# Altium PCB Drivers.PcbDoc (part 1 of 2)
Units mil, origin at the board's own origin, x right, y up, seen from the top; angles counter-clockwise.
Board outline 5500 x 3355 mil, 4 copper layers (Top Layer, GND, Inner 2, EARTH), stack 58.74 mil thick; 166 components, 120 nets, 482 pads, 174 vias.
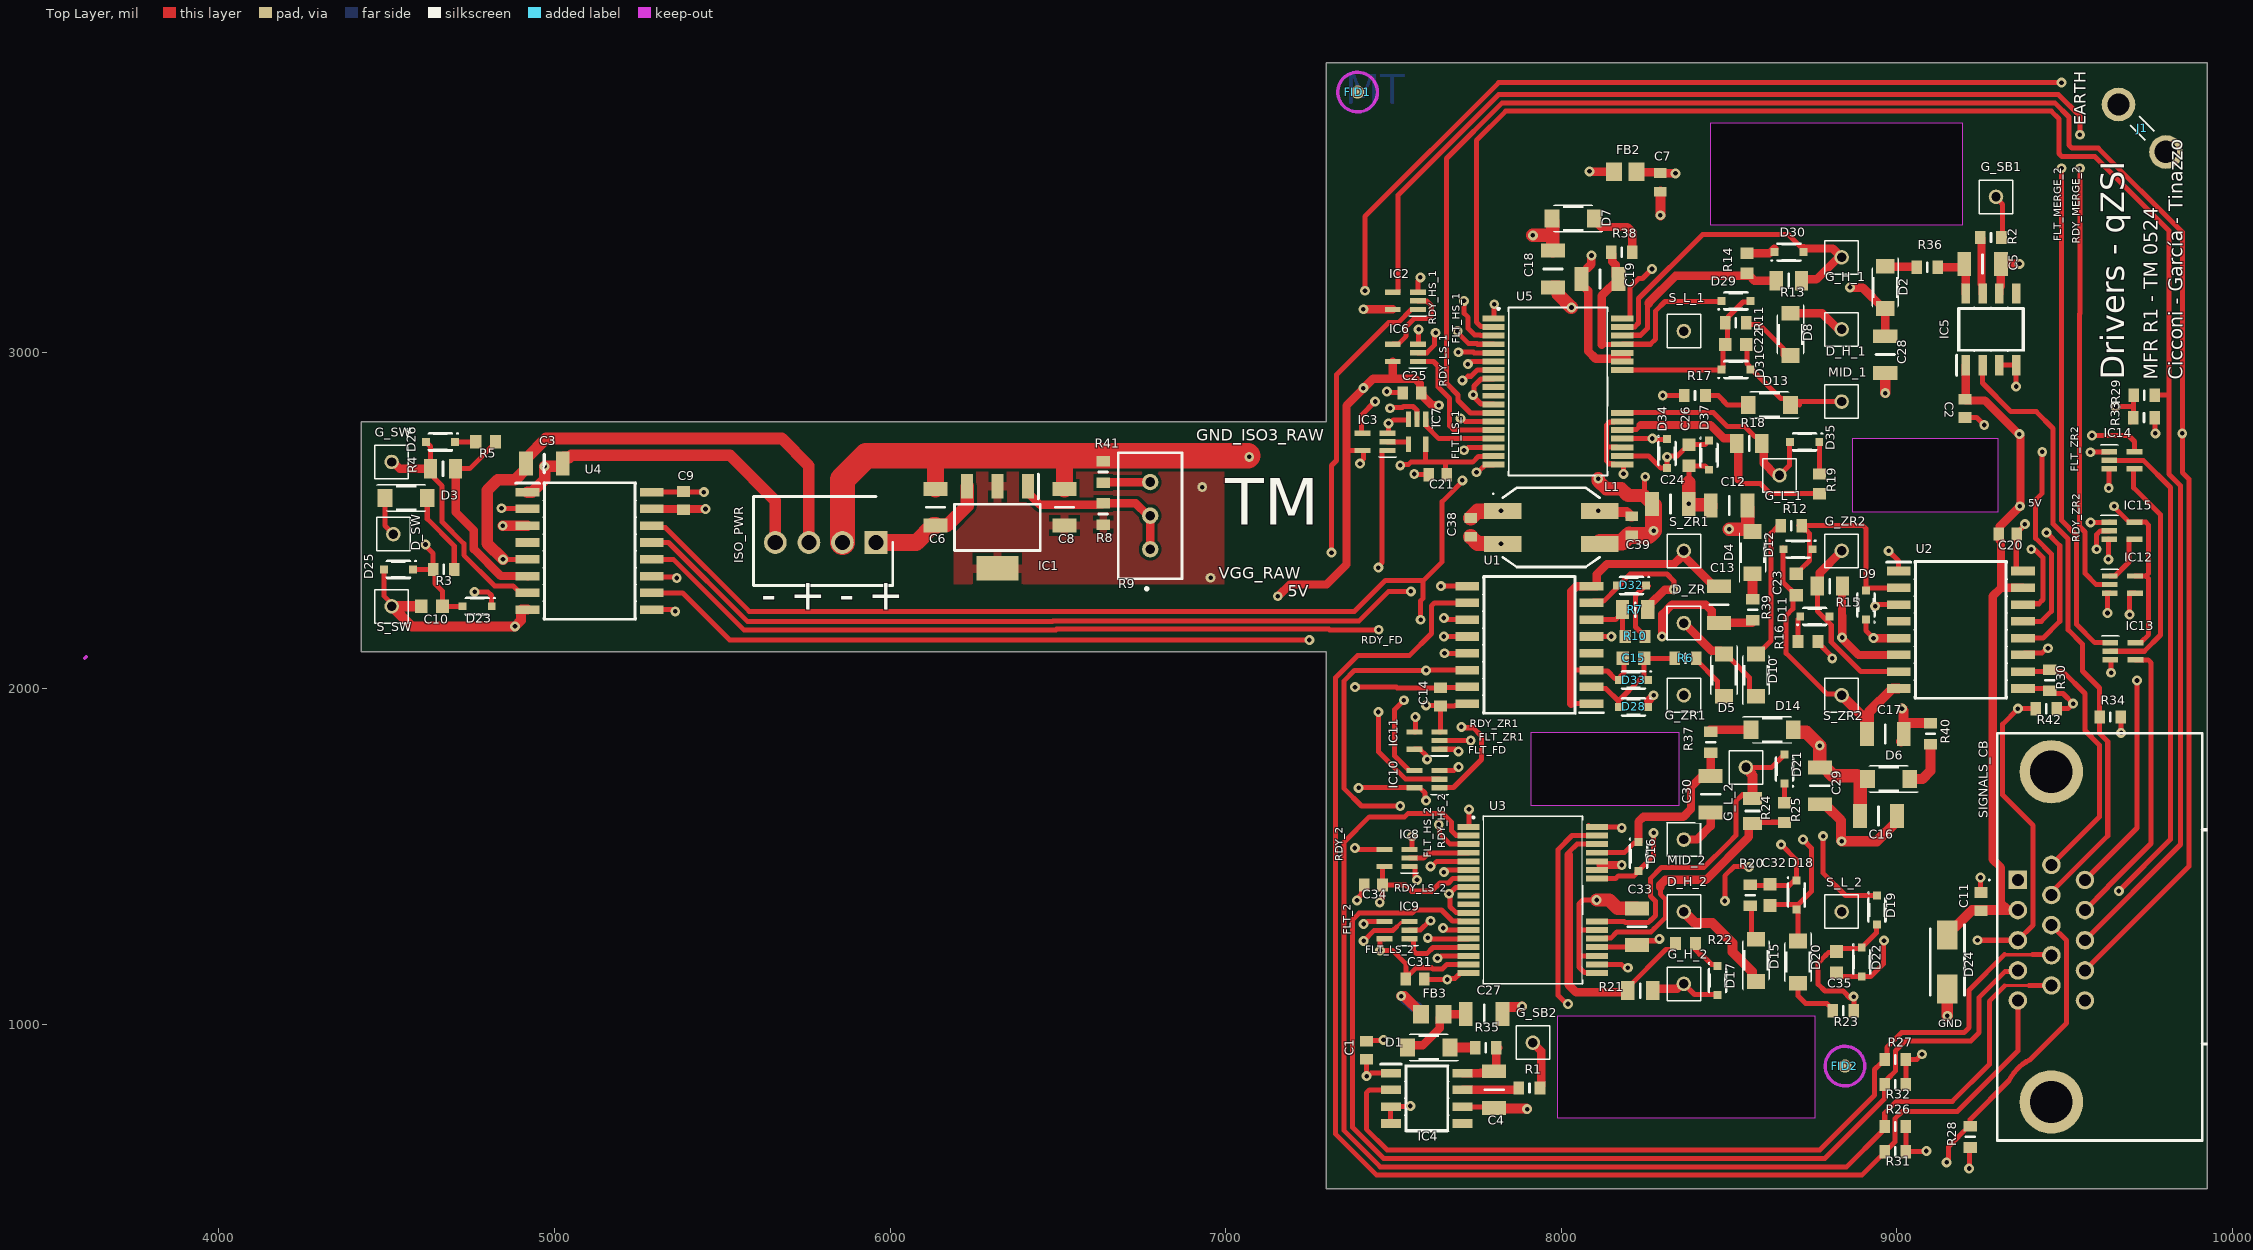
[diagram p0: Top Layer view]
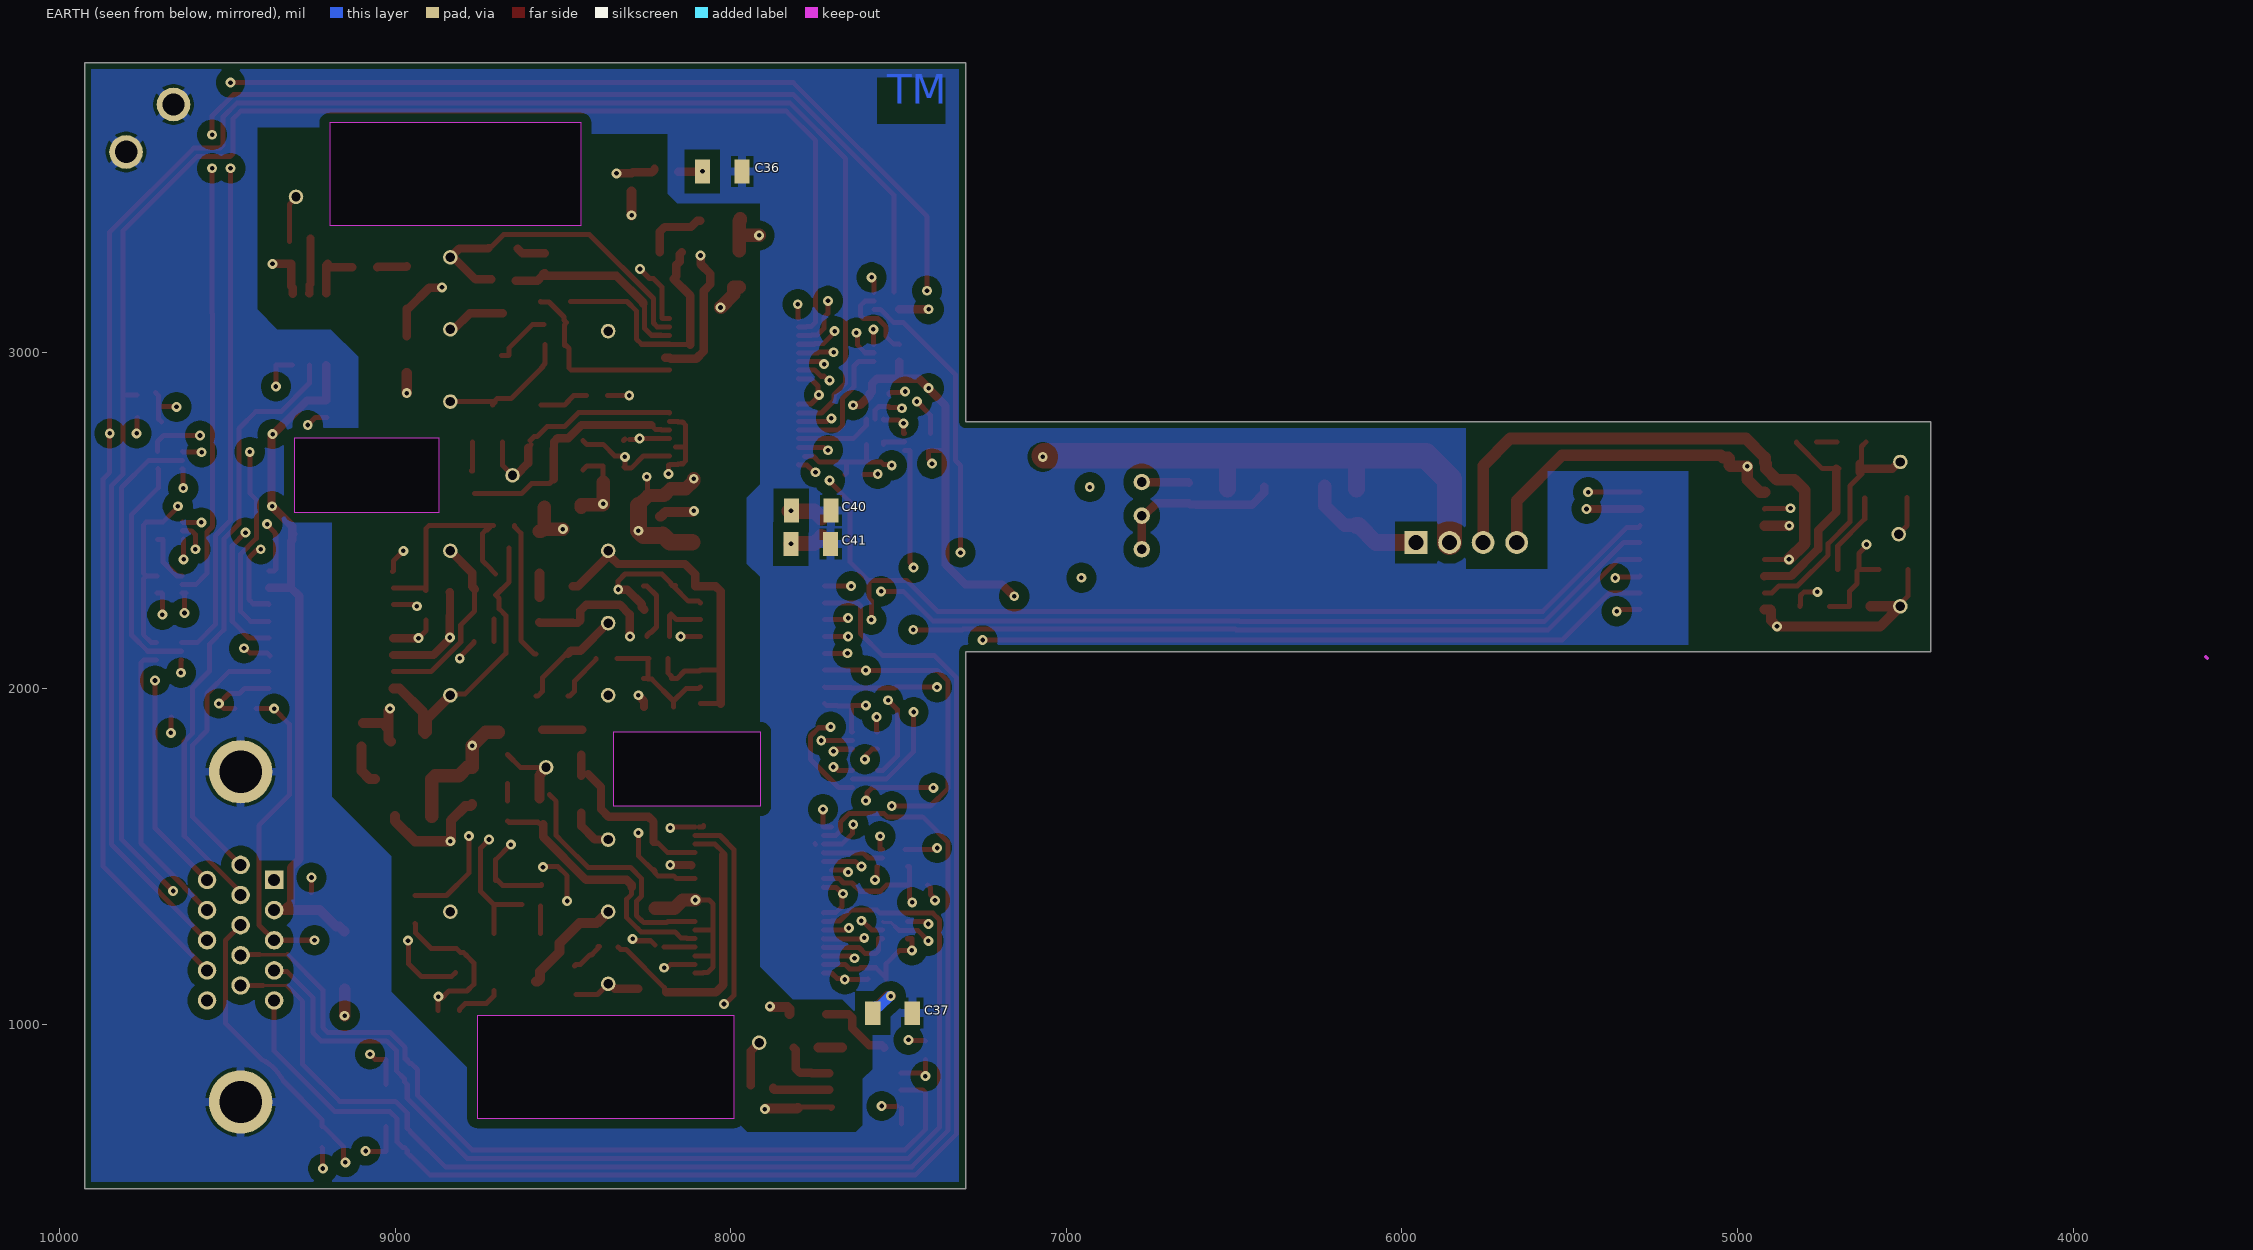
[diagram p1: EARTH view, seen from below]
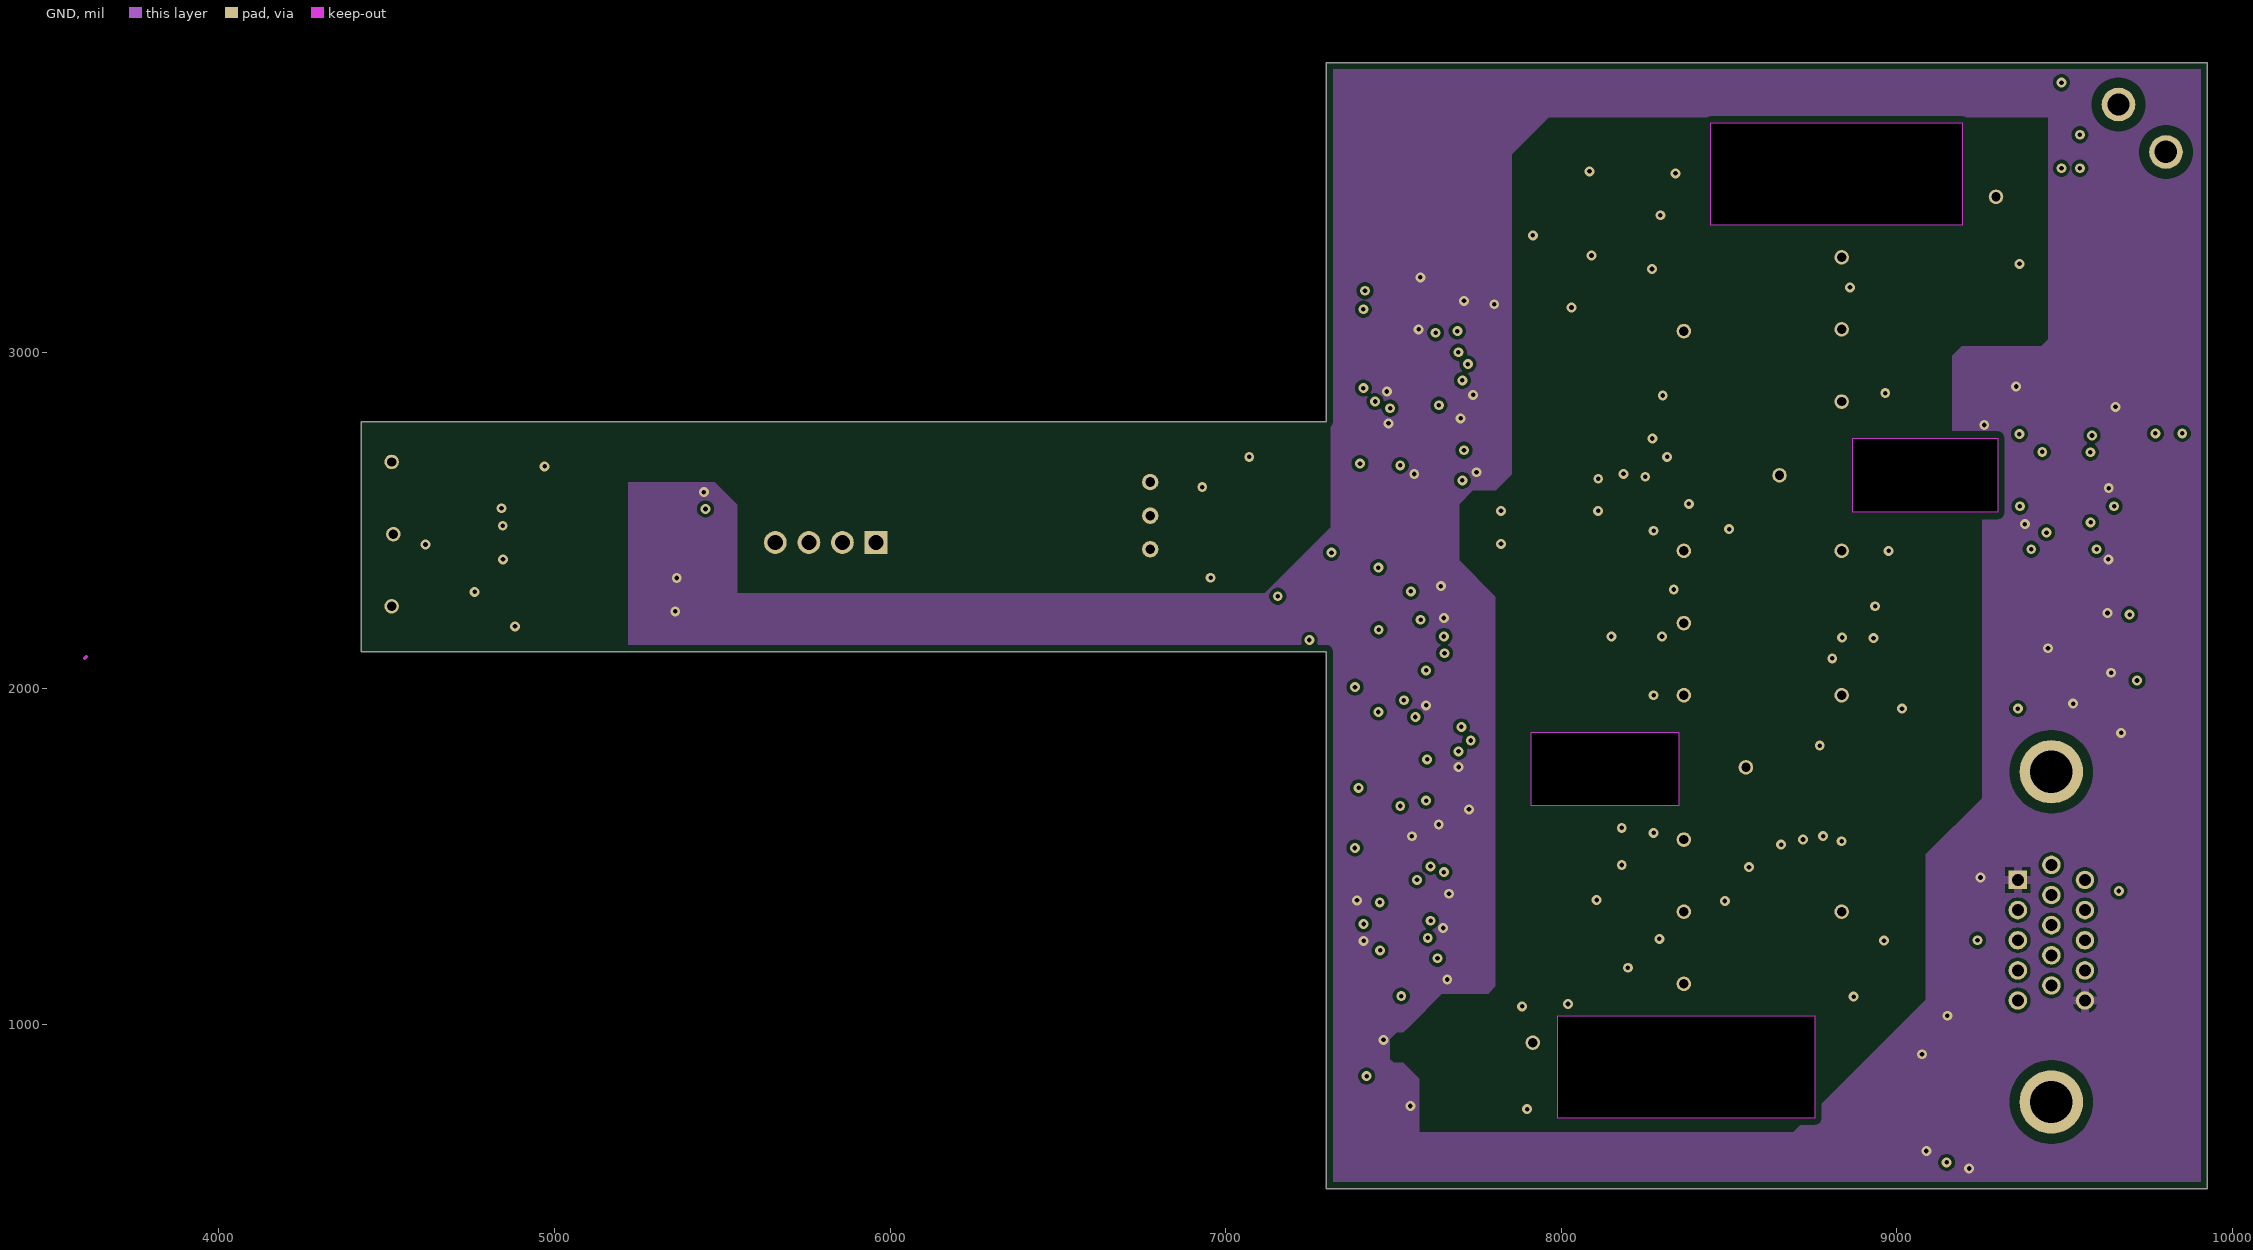
[diagram p2: GND]
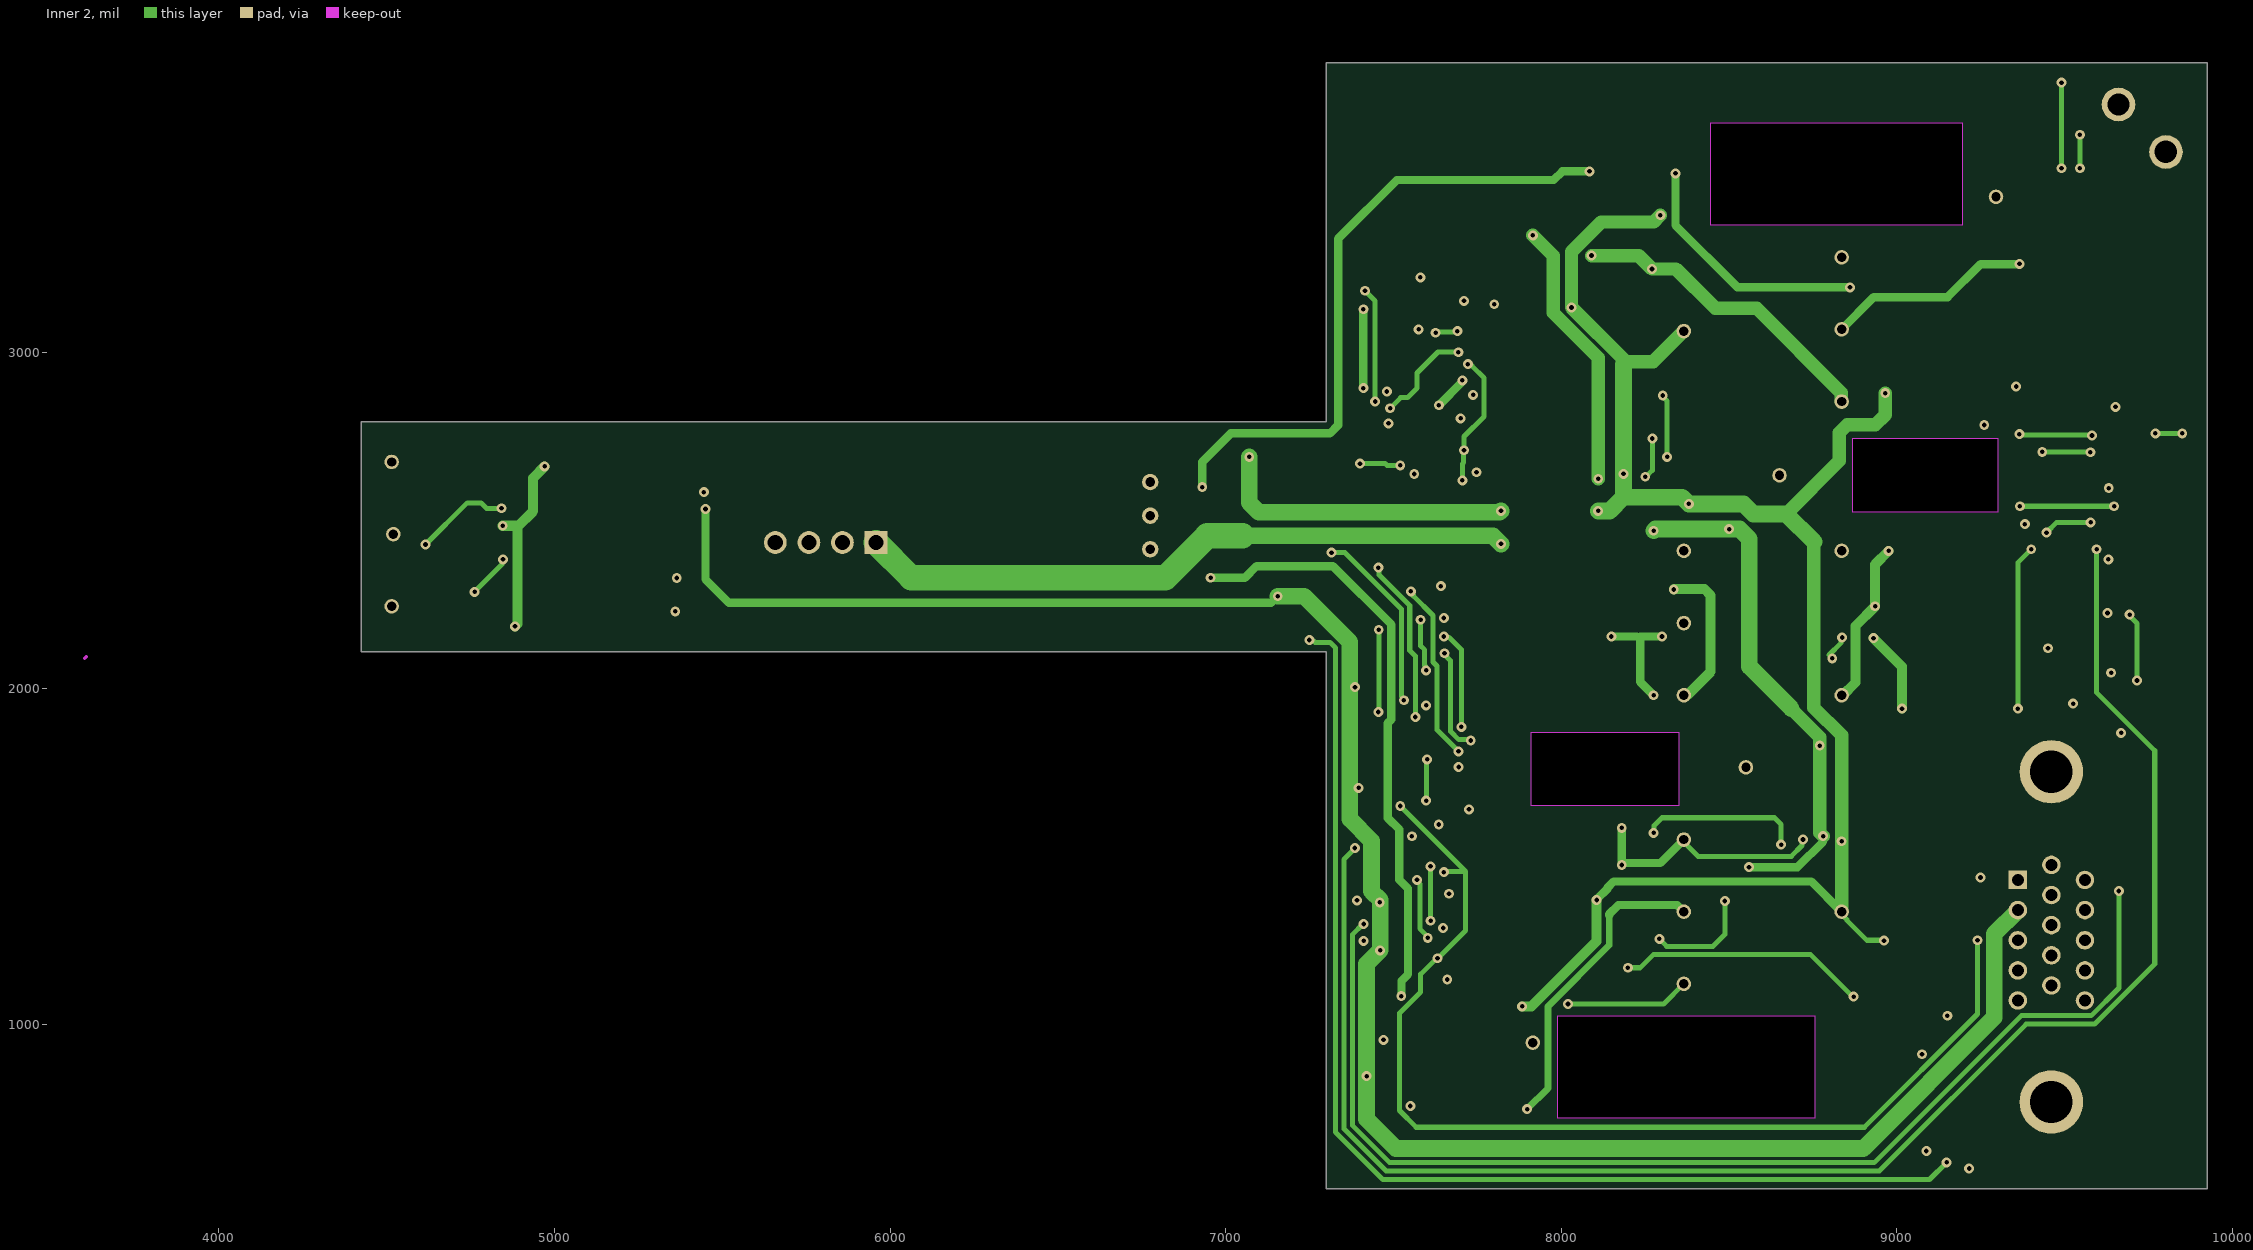
[diagram p3: Inner 2]
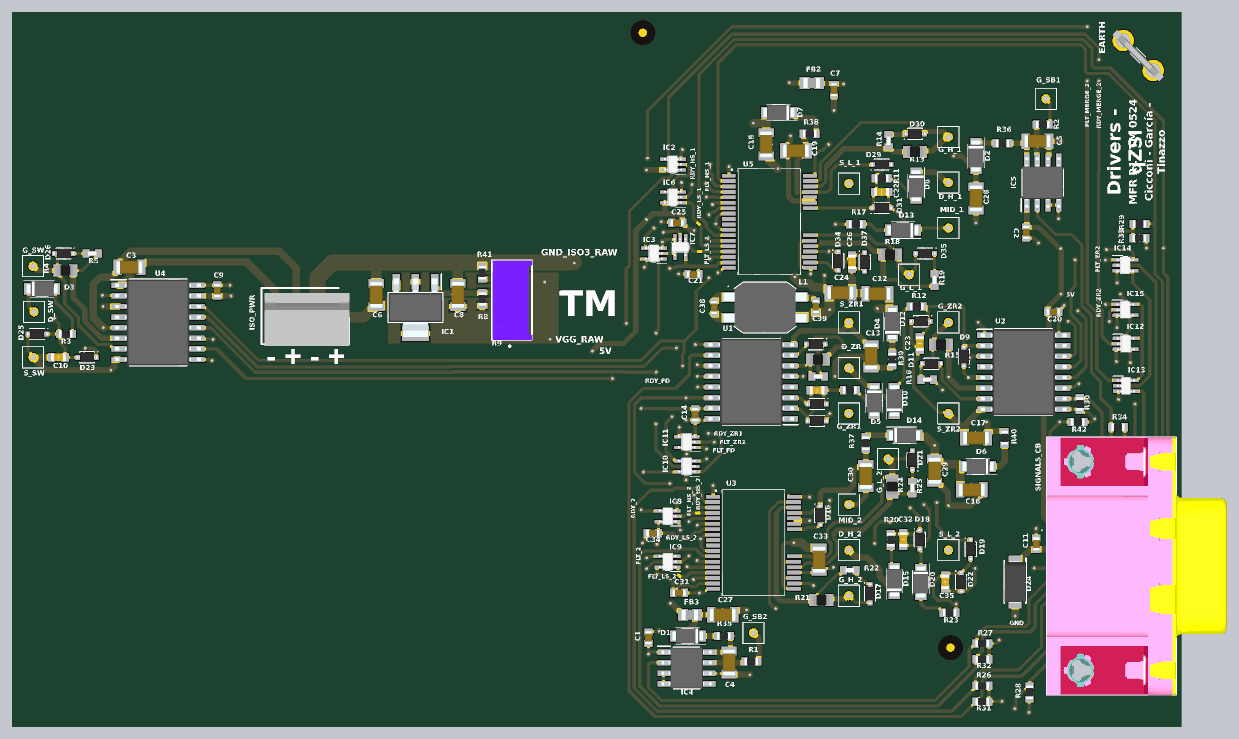
[diagram p5: 3D render of the assembled board from above, using the file's embedded part models]
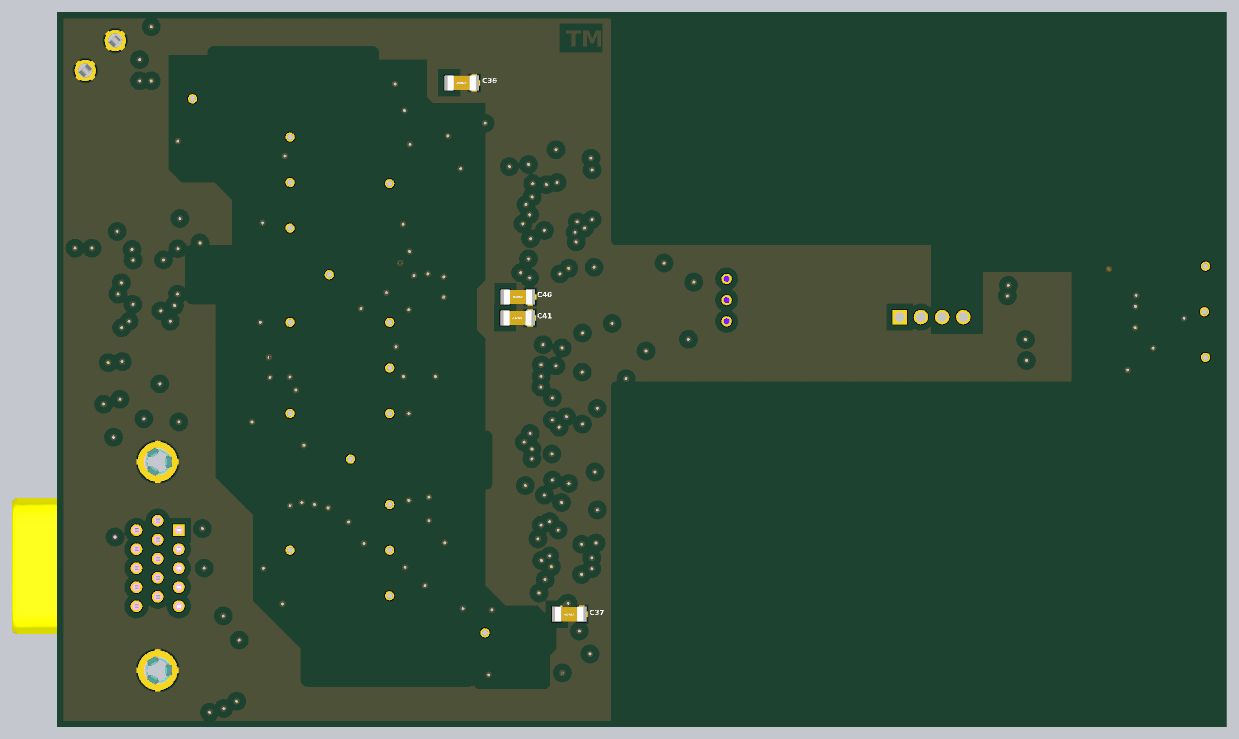
[diagram p6: 3D render of the assembled board from below, using the file's embedded part models]

## Layer stack, top to bottom
Top Solder: solder mask 0.4, Solder Resist, Dk 3.5
Top Layer: signal copper 0.7087
Dielectric 1: prepreg 4.3307, PP-006, Dk 4.29
GND: signal copper 0.7087
Dielectric1: dielectric 47.2441, FR-4, Dk 4.29
Inner 2: signal copper 0.7087
Dielectric 2: prepreg 4.3307, PP-006, Dk 4.29
EARTH: signal copper 0.7087
Bottom Solder: solder mask 0.4, Solder Resist, Dk 3.5

## Board outline
4425,2110 7300,2110 7300,510 9925,510 9925,3865 7300,3865 7300,2795 4425,2795
cut-out: 9195,3380 8445,3380 8445,3685 9195,3685
cut-out: 8755,720 7990,720 7990,1025 8755,1025
cut-out: 9300,2525 8868.11,2525 8868.11,2746.06 9300,2746.06
cut-out: 8350,1650 7910,1650 7910,1870 8350,1870

## Design rules (kind name [scope] priority, off if disabled: settings)
BoardOutlineClearance [All] p1: gap=19.68 ignorepadtopadclearanceinfootprint=FALSE
Clearance Clearance_1 [InNet('EARTH')] p1: gap=29.53 ignorepadtopadclearanceinfootprint=FALSE
Clearance [All] p2: gap=10 ignorepadtopadclearanceinfootprint=FALSE except(0: Arc-Hole Track-Hole SMDPad-Hole THPad-Hole Via-Hole Fill-Hole Poly-Hole Region-Hole Text-Hole; 7: Arc-SMDPad Track-SMDPad SMDPad-SMDPad)
ComponentClearance [All] p1: gap=10 collisioncheckmode=3 verticalgap=100000 showdistances=FALSE
HoleSize [All] p1: absolutevalues=TRUE maxlimit=255.91 minlimit=13.78 maxpercent=80.000 minpercent=20.000
MinimumAnnularRing [All] p1: minimumring=5.91
MinimumSolderMaskSliver [All] p1: minsoldermaskwidth=5
PolygonConnect [All] p1: thpad.connectstyle=Relief thpad.reliefconductorwidth=25 thpad.reliefentries=4 thpad.polygonreliefangle="90 Angle" thpad.airgapwidth=10 smdpad.connectstyle=Relief smdpad.reliefconductorwidth=25 smdpad.reliefentries=4 smdpad.polygonreliefangle="90 Angle" smdpad.airgapwidth=10 via.connectstyle=Direct via.reliefconductorwidth=10 via.reliefentries=4 via.polygonreliefangle="90 Angle" via.airgapwidth=10
RoutingVias [All] p1: holewidth=13.78 width=29.53 viastyle="Through Hole" minholewidth=13.78 minwidth=29.53 maxholewidth=39.37 maxwidth=78.74
SilkToSilkClearance [All] p1: silktosilkclearance=5
SilkToSolderMaskClearance [IsPad] p1: minsilkscreentomaskgap=5 clearancetoexposedcopper=TRUE
SolderMaskExpansion [All] p1: expansion=5 istentingtop=FALSE
Width [All] p1: maxlimit=100 minlimit=7 preferedwidth=25 minimp=50.000000 maximp=50.000000 favimp=50.000000
25 further rules are at their usual default settings.

## Classes and differential pairs
component class Power: C6 C7 C8 C36 C37 C38 C39 C40 C41 FB2 FB3 IC1 ISO_PWR L1 R8 R9 R41
component class Gates: IC2 IC3 IC6 IC7 IC8 IC9 IC10 IC11 IC12 IC13 IC14 IC15
component class Drivers: C1 C2 C3 C4 C5 C9 C10 C11 C12 C13 C14 C15 C16 C17 C18 C19 C20 C21 C22 C23 C24 C25 C26 C27 C28 C29 C30 C31 C32 C33 C34 C35 D1 D2 D3 D4 D5 D6 D7 D8 D9 D10 D11 D12 D13 D14 D15 D16 D17 D18 D19 D20 D21 D22 D23 D24 D25 D26 D28 D29 D30 D31 D32 D33 D34 D35 D37 D_H_1 D_H_2 D_SW D_ZR FID1 FID2 G_H_1 G_H_2 G_L_1 G_L_2 G_SB1 G_SB2 G_SW G_ZR1 G_ZR2 IC4 IC5 J1 MID_1 MID_2 R1 R2 R3 R4 R5 R6 R7 R10 R11 R12 R13 R14 R15 R16 R17 R18 R19 R20 R21 R22 R23 R24 R25 R26 R27 R28 R29 R30 R31 R32 R33 R34 R35 R36 R37 R38 R39 R40 R42 S_L_1 S_L_2 S_SW S_ZR1 S_ZR2 SIGNALS_CB U1 U2 U3 U4 U5 U7
